# Altium PCB PCB22.PcbDoc (part 6 of 16) (continued)
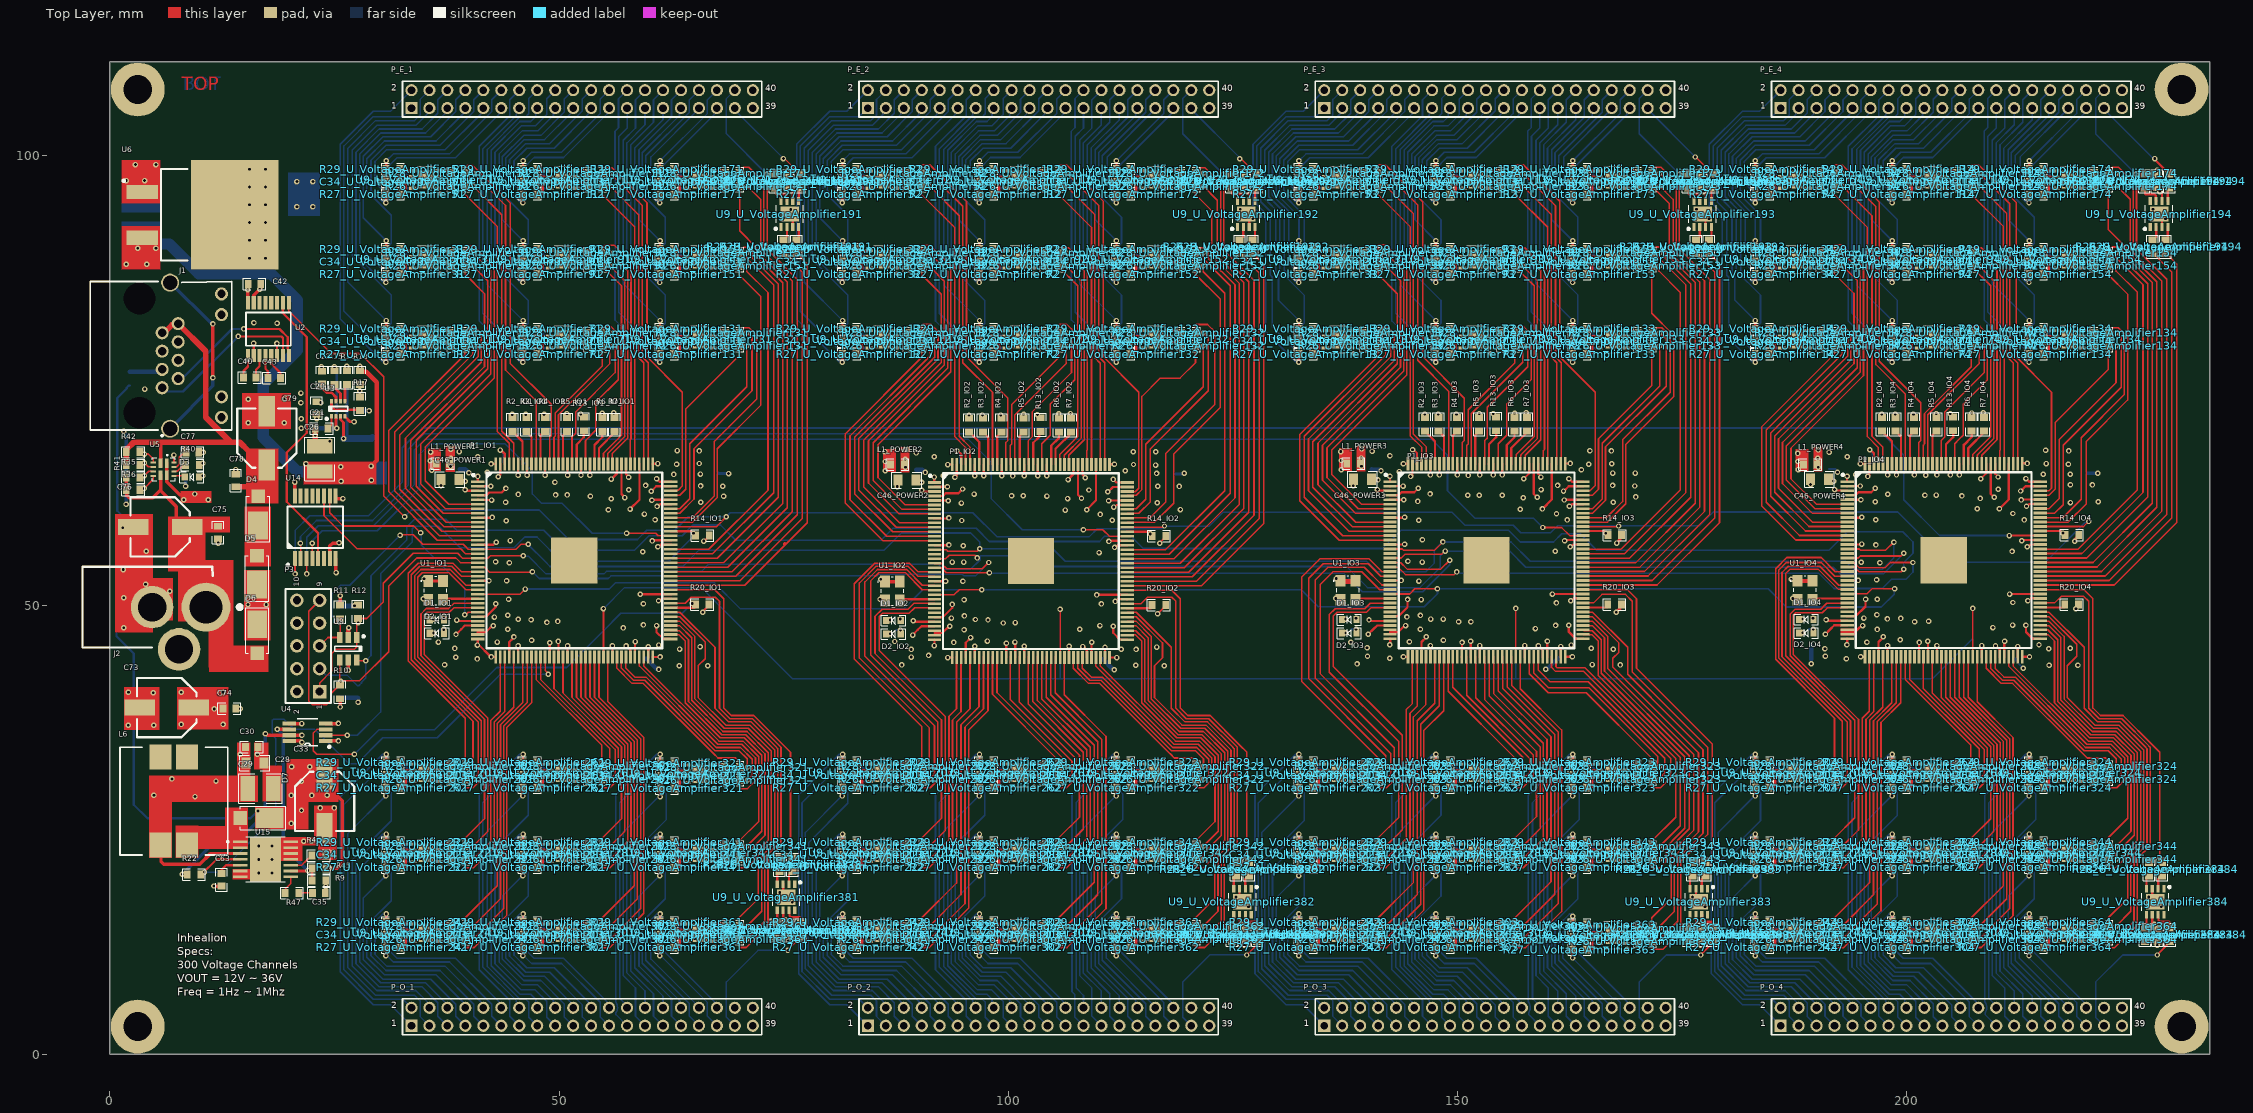
[diagram p0: Top Layer view]
## Nets (pads, with @x,y where several pads share a name; then routed paths per layer and width w, separated by ;. In a path a pad name is that pad's centre, name@x,y a point inside that pad or via, vN(x,y) a via of type N, cw(c..) or ccw(c..) an arc to the next point about the centre after c; other vN are vias at no path point) (continued)
  Top Layer w0.305: U3.4@26.171,71.038 26.171,70.987 26.738,70.42 v1(27.17,70.42)
  Top Layer w0.381: v1(11.576,18.745) 11.593,18.728 11.65,18.728 11.653,18.731 C63.1@12.44,18.731 ; U2.15@16.007,83.669 16.007,84.514 16.792,85.3 C42.1@16.792,85.737 ; U4.5@19.951,36.82 21.335,36.82 v1@21.343,36.812 ; U4.1@24.015,34.889 25.45,34.889 v1@25.455,34.884 ; U4.4@24.015,36.82 25.48,36.82 v1@25.497,36.802 ; U14.8@25.131,55.193 25.13,55.192 25.13,53.672 v1(25.165,53.637) ; U14.9@25.131,62.169 25.131,61.899 25.166,61.864 v1(25.94,61.864)
  Top Layer w0.508: U8.2@26.524,46.403 26.541,46.42 26.541,47.417 26.582,47.458 v1(26.582,47.486)
  Top Layer w0.635: C21.1@22.859,69.677 22.859,68.173 C26.1@23.357,67.676
  Bottom Layer w0.254: U9_U_VoltageAmplifier251.9@35.158,13.563 35.483,13.238 U9_U_VoltageAmplifier251.3@36.608,13.238 ; U9_U_VoltageAmplifier231.9@35.158,22.453 35.483,22.128 U9_U_VoltageAmplifier231.3@36.608,22.128 ; U9_U_VoltageAmplifier211.9@35.158,31.343 35.483,31.018 U9_U_VoltageAmplifier211.3@36.608,31.018 ; U9_U_VoltageAmplifier21.9@35.158,79.603 35.483,79.278 U9_U_VoltageAmplifier21.3@36.608,79.278 ; U9_U_VoltageAmplifier41.9@35.158,88.493 35.483,88.168 U9_U_VoltageAmplifier41.3@36.608,88.168 ; U9_U_VoltageAmplifier61.9@35.158,97.383 35.483,97.058 U9_U_VoltageAmplifier61.3@36.608,97.058 ; v1(43.446,67.267) 43.797,66.916 C9_POWER1.2@43.797,65.901 ; U9_U_VoltageAmplifier311.9@50.398,13.563 50.723,13.238 U9_U_VoltageAmplifier311.3@51.848,13.238 ; U9_U_VoltageAmplifier291.9@50.398,22.453 50.723,22.128 U9_U_VoltageAmplifier291.3@51.848,22.128 ; U9_U_VoltageAmplifier271.9@50.398,31.343 50.723,31.018 U9_U_VoltageAmplifier271.3@51.848,31.018 ; U9_U_VoltageAmplifier81.9@50.398,79.603 50.723,79.278 U9_U_VoltageAmplifier81.3@51.848,79.278 ; U9_U_VoltageAmplifier101.9@50.398,88.493 50.723,88.168 U9_U_VoltageAmplifier101.3@51.848,88.168 ; U9_U_VoltageAmplifier121.9@50.398,97.383 50.723,97.058 U9_U_VoltageAmplifier121.3@51.848,97.058 ; U9_U_VoltageAmplifier371.9@65.638,13.563 65.963,13.238 U9_U_VoltageAmplifier371.3@67.088,13.238 ; U9_U_VoltageAmplifier351.9@65.638,22.453 65.963,22.128 U9_U_VoltageAmplifier351.3@67.088,22.128 ; U9_U_VoltageAmplifier141.9@65.638,79.603 65.963,79.278 U9_U_VoltageAmplifier141.3@67.088,79.278 ; U9_U_VoltageAmplifier161.9@65.638,88.493 65.963,88.168 U9_U_VoltageAmplifier161.3@67.088,88.168 ; U9_U_VoltageAmplifier181.9@65.638,97.383 65.963,97.058 U9_U_VoltageAmplifier181.3@67.088,97.058 ; U9_U_VoltageAmplifier331.9@65.668,31.252 65.993,30.927 U9_U_VoltageAmplifier331.3@67.118,30.927 ; U9_U_VoltageAmplifier252.9@85.958,13.563 86.283,13.238 U9_U_VoltageAmplifier252.3@87.408,13.238 ; U9_U_VoltageAmplifier232.9@85.958,22.453 86.283,22.128 U9_U_VoltageAmplifier232.3@87.408,22.128 ; U9_U_VoltageAmplifier212.9@85.958,31.343 86.283,31.018 U9_U_VoltageAmplifier212.3@87.408,31.018 ; U9_U_VoltageAmplifier22.9@85.958,79.603 86.283,79.278 U9_U_VoltageAmplifier22.3@87.408,79.278 ; U9_U_VoltageAmplifier42.9@85.958,88.493 86.283,88.168 U9_U_VoltageAmplifier42.3@87.408,88.168 ; U9_U_VoltageAmplifier62.9@85.958,97.383 86.283,97.058 U9_U_VoltageAmplifier62.3@87.408,97.058 ; v1(94.274,67.201) 94.625,66.85 C9_POWER2.2@94.625,65.835 ; U9_U_VoltageAmplifier312.9@101.198,13.563 101.523,13.238 U9_U_VoltageAmplifier312.3@102.648,13.238 ; U9_U_VoltageAmplifier292.9@101.198,22.453 101.523,22.128 U9_U_VoltageAmplifier292.3@102.648,22.128 ; U9_U_VoltageAmplifier272.9@101.198,31.343 101.523,31.018 U9_U_VoltageAmplifier272.3@102.648,31.018 ; U9_U_VoltageAmplifier82.9@101.198,79.603 101.523,79.278 U9_U_VoltageAmplifier82.3@102.648,79.278 ; U9_U_VoltageAmplifier102.9@101.198,88.493 101.523,88.168 U9_U_VoltageAmplifier102.3@102.648,88.168 ; U9_U_VoltageAmplifier122.9@101.198,97.383 101.523,97.058 U9_U_VoltageAmplifier122.3@102.648,97.058 ; U9_U_VoltageAmplifier372.9@116.438,13.563 116.763,13.238 U9_U_VoltageAmplifier372.3@117.888,13.238 ; U9_U_VoltageAmplifier352.9@116.438,22.453 116.763,22.128 U9_U_VoltageAmplifier352.3@117.888,22.128 ; U9_U_VoltageAmplifier332.9@116.438,31.343 116.763,31.018 U9_U_VoltageAmplifier332.3@117.888,31.018 ; U9_U_VoltageAmplifier142.9@116.438,79.603 116.763,79.278 U9_U_VoltageAmplifier142.3@117.888,79.278 ; U9_U_VoltageAmplifier162.9@116.438,88.493 116.763,88.168 U9_U_VoltageAmplifier162.3@117.888,88.168 ; U9_U_VoltageAmplifier182.9@116.438,97.383 116.763,97.058 U9_U_VoltageAmplifier182.3@117.888,97.058 ; U9_U_VoltageAmplifier253.9@136.758,13.563 137.083,13.238 U9_U_VoltageAmplifier253.3@138.208,13.238 ; U9_U_VoltageAmplifier233.9@136.758,22.453 137.083,22.128 U9_U_VoltageAmplifier233.3@138.208,22.128 ; U9_U_VoltageAmplifier213.9@136.758,31.343 137.083,31.018 U9_U_VoltageAmplifier213.3@138.208,31.018 ; U9_U_VoltageAmplifier23.9@136.758,79.603 137.083,79.278 U9_U_VoltageAmplifier23.3@138.208,79.278 ; U9_U_VoltageAmplifier43.9@136.758,88.493 137.083,88.168 U9_U_VoltageAmplifier43.3@138.208,88.168 ; U9_U_VoltageAmplifier63.9@136.758,97.383 137.083,97.058 U9_U_VoltageAmplifier63.3@138.208,97.058 ; v1(144.995,67.288) 145.346,66.937 C9_POWER3.2@145.346,65.923 ; U9_U_VoltageAmplifier313.9@151.998,13.563 152.323,13.238 U9_U_VoltageAmplifier313.3@153.448,13.238 ; U9_U_VoltageAmplifier293.9@151.998,22.453 152.323,22.128 U9_U_VoltageAmplifier293.3@153.448,22.128 ; U9_U_VoltageAmplifier273.9@151.998,31.343 152.323,31.018 U9_U_VoltageAmplifier273.3@153.448,31.018 ; U9_U_VoltageAmplifier83.9@151.998,79.603 152.323,79.278 U9_U_VoltageAmplifier83.3@153.448,79.278 ; U9_U_VoltageAmplifier103.9@151.998,88.493 152.323,88.168 U9_U_VoltageAmplifier103.3@153.448,88.168 ; U9_U_VoltageAmplifier123.9@151.998,97.383 152.323,97.058 U9_U_VoltageAmplifier123.3@153.448,97.058 ; U9_U_VoltageAmplifier373.9@167.238,13.309 167.563,12.984 U9_U_VoltageAmplifier373.3@168.688,12.984 ; U9_U_VoltageAmplifier353.9@167.238,22.453 167.563,22.128 U9_U_VoltageAmplifier353.3@168.688,22.128 ; U9_U_VoltageAmplifier333.9@167.238,31.343 167.563,31.018 U9_U_VoltageAmplifier333.3@168.688,31.018 ; U9_U_VoltageAmplifier143.9@167.238,79.603 167.563,79.278 U9_U_VoltageAmplifier143.3@168.688,79.278 ; U9_U_VoltageAmplifier163.9@167.238,88.493 167.563,88.168 U9_U_VoltageAmplifier163.3@168.688,88.168 ; U9_U_VoltageAmplifier183.9@167.238,97.383 167.563,97.058 U9_U_VoltageAmplifier183.3@168.688,97.058 ; U9_U_VoltageAmplifier254.9@187.558,13.563 187.883,13.238 U9_U_VoltageAmplifier254.3@189.008,13.238 ; U9_U_VoltageAmplifier234.9@187.558,22.453 187.883,22.128 U9_U_VoltageAmplifier234.3@189.008,22.128 ; U9_U_VoltageAmplifier214.9@187.558,31.343 187.883,31.018 U9_U_VoltageAmplifier214.3@189.008,31.018 ; U9_U_VoltageAmplifier24.9@187.558,79.603 187.883,79.278 U9_U_VoltageAmplifier24.3@189.008,79.278 ; U9_U_VoltageAmplifier44.9@187.558,88.493 187.883,88.168 U9_U_VoltageAmplifier44.3@189.008,88.168 ; U9_U_VoltageAmplifier64.9@187.558,97.383 187.883,97.058 U9_U_VoltageAmplifier64.3@189.008,97.058 ; C2_POWER4.2@191.339,65.158 192.025,65.158 v1@192.314,64.869 ; v1(195.871,67.292) 196.222,66.941 C9_POWER4.2@196.222,65.926 ; U9_U_VoltageAmplifier314.9@202.798,13.563 203.123,13.238 U9_U_VoltageAmplifier314.3@204.248,13.238 ; U9_U_VoltageAmplifier294.9@202.798,22.453 203.123,22.128 U9_U_VoltageAmplifier294.3@204.248,22.128 ; U9_U_VoltageAmplifier274.9@202.798,31.343 203.123,31.018 U9_U_VoltageAmplifier274.3@204.248,31.018 ; U9_U_VoltageAmplifier84.9@202.798,79.603 203.123,79.278 U9_U_VoltageAmplifier84.3@204.248,79.278 ; U9_U_VoltageAmplifier104.9@202.798,88.493 203.123,88.168 U9_U_VoltageAmplifier104.3@204.248,88.168 ; U9_U_VoltageAmplifier124.9@202.798,97.383 203.123,97.058 U9_U_VoltageAmplifier124.3@204.248,97.058 ; C54_POWER4.2@212.076,44.073 212.076,43.873 v1(212.965,42.984) ; U9_U_VoltageAmplifier374.9@218.038,13.563 218.363,13.238 U9_U_VoltageAmplifier374.3@219.488,13.238 ; U9_U_VoltageAmplifier354.9@218.038,22.453 218.363,22.128 U9_U_VoltageAmplifier354.3@219.488,22.128 ; U9_U_VoltageAmplifier334.9@218.038,31.343 218.363,31.018 U9_U_VoltageAmplifier334.3@219.488,31.018 ; U9_U_VoltageAmplifier144.9@218.038,79.603 218.363,79.278 U9_U_VoltageAmplifier144.3@219.488,79.278 ; U9_U_VoltageAmplifier164.9@218.038,88.493 218.363,88.168 U9_U_VoltageAmplifier164.3@219.488,88.168 ; U9_U_VoltageAmplifier184.9@218.038,97.383 218.363,97.058 U9_U_VoltageAmplifier184.3@219.488,97.058
  Bottom Layer w0.381: v1(1.545,69.354) 1.545,69.305 1.825,69.024 R44.2@1.825,66.804 ; v1@1.732,61.165 1.824,61.257 1.824,62.996 1.824,64.407 1.824,65.817 R44.2@1.824,67.228
  Bottom Layer w0.508: C39.1@25.612,39.71 25.643,39.679 27.606,39.679 C37.1@27.637,39.648 ; C38.1@25.615,49.881 25.642,49.908 27.584,49.908 C36.1@27.611,49.935 ; R19.2@27.815,71.663 27.821,71.656 28.835,71.656 v1(28.842,71.649) ; C2_POWER1.2@38.913,65.133 39.565,65.133 v1@39.966,64.732 ; C54_POWER1.2@59.651,44.048 59.72,44.048 60.898,42.87 61.08,42.87 v1(61.099,42.851) ; C2_POWER2.2@89.741,65.067 90.418,65.067 v1@90.702,64.782 ; C54_POWER2.2@110.479,43.982 110.548,43.982 111.696,42.833 111.773,42.833 v1(111.792,42.814) ; C2_POWER3.2@140.462,65.155 140.525,65.092 141.327,65.092 141.421,64.998 141.431,64.998 141.459,64.97 v1@141.459,64.96 ; v1(159.812,42.875) 159.832,42.895 159.956,42.895 161.131,44.07 C54_POWER3.2@161.2,44.07 ; C48_POWER4.2@189.38,45.55 189.38,44.011 C56_POWER4.1@189.391,44
  other v1: 126.28,12.126 177.08,12.126 227.88,12.126 75.48,12.634 166.698,12.628 34.618,12.882 49.858,12.882 65.098,12.882 85.418,12.882 100.658,12.882 115.898,12.882 136.218,12.882 151.458,12.882 187.018,12.882 202.258,12.882 217.498,12.882 162.384,13.086 30.304,13.34 45.544,13.34 60.784,13.34 81.104,13.34 96.344,13.34 111.584,13.34 131.904,13.34 147.144,13.34 182.704,13.34 197.944,13.34 213.184,13.34 167.769,14.017 35.689,14.271 50.929,14.271 66.169,14.271 86.489,14.271 101.729,14.271 116.969,14.271 137.289,14.271 152.529,14.271 188.089,14.271 203.329,14.271 218.569,14.271 126.738,16.44 177.538,16.44 228.338,16.44 75.938,16.948 125.349,17.511 176.149,17.511 226.949,17.511 74.549,18.019 24.022,18.679 34.618,21.772 49.858,21.772 65.098,21.772 85.418,21.772 100.658,21.772 115.898,21.772 136.218,21.772 151.458,21.772 166.698,21.772 187.018,21.772 202.258,21.772 217.498,21.772 30.304,22.23 45.544,22.23 60.784,22.23 81.104,22.23 96.344,22.23 111.584,22.23 131.904,22.23 147.144,22.23 162.384,22.23 182.704,22.23 197.944,22.23 213.184,22.23 24.86,22.53 35.689,23.161 50.929,23.161 66.169,23.161 86.489,23.161 101.729,23.161 116.969,23.161 137.289,23.161 152.529,23.161 167.769,23.161 188.089,23.161 203.329,23.161 218.569,23.161 21.584,23.723 22.404,23.742 23.413,27.432 24.958,27.431 65.127,30.571 34.618,30.662 49.858,30.662 85.418,30.662 100.658,30.662 115.898,30.662 136.218,30.662 151.458,30.662 166.698,30.662 187.018,30.662 202.258,30.662 217.498,30.662 60.814,31.028 30.304,31.12 45.544,31.12 81.104,31.12 96.344,31.12 111.584,31.12 131.904,31.12 147.144,31.12 162.384,31.12 182.704,31.12 197.944,31.12 213.184,31.12 66.199,31.96 35.689,32.051 50.929,32.051 86.489,32.051 101.729,32.051 116.969,32.051 137.289,32.051 152.529,32.051 167.769,32.051 188.089,32.051 203.329,32.051 218.569,32.051 16.416,33.396 25.437,34.892 2.039,36.649 4.878,36.649 21.35,36.82 25.429,36.837 14.502,38.483 27.615,39.192 4.83,40.266 2.054,40.299 63.364,43.256 114.169,43.309 215.835,43.314 88.145,43.347 37.251,43.375 164.992,43.391 138.818,43.462 189.369,43.492 40.893,44.018 193.28,44.026 142.455,44.092 91.121,44.404 114.21,45.077 112.554,45.1 63.408,45.118 215.81,45.143 164.891,45.212 61.096,45.567 162.663,45.567 214.718,45.6 93.918,45.849 138.106,45.865 36.57,45.898 195.566,45.88 43.121,45.9 144.647,45.92 87.344,45.959 86.857,46.83 36.029,46.896 137.578,46.917 188.454,46.921 95.071,47.254 44.266,47.32 107.936,47.32 145.874,47.312 196.709,47.302 158.665,47.401 57.129,47.467 1.523,47.484 209.587,47.505 110.199,47.737 160.905,47.744 59.377,47.803 211.771,47.785 99.42,48.018 100.779,48.062 48.637,48.087 150.113,48.148 151.492,48.161 200.867,48.149 49.854,48.189 202.424,48.217 86.847,48.364 97.736,48.354 46.872,48.392 96.334,48.407 36.019,48.43 45.44,48.448 137.568,48.452 147.012,48.453 148.416,48.453 188.444,48.455 197.852,48.471 199.325,48.521 95.114,48.806 145.874,48.857 44.281,48.882 196.684,48.928 27.21,49.926 110.359,50.139 59.379,50.172 161.004,50.251 211.822,50.299 95.071,50.619 44.368,50.65 145.963,50.627 85.714,50.665 196.709,50.655 34.886,50.731 136.435,50.753 187.311,50.757 1.549,50.836 6.654,51.548 3.962,52.335 94.949,52.662 145.696,52.69 44.149,52.72 196.633,52.839 1.472,53.961 194.931,54.77 93.748,54.8 42.92,54.849 144.482,54.879 110.1,55.857 59.318,55.959 160.875,55.999 211.721,55.989 4.038,56.018 12.067,56.914 1.422,58.609 44.121,59.408 94.815,59.428 145.671,59.448 111.551,59.469 162.224,59.487 60.682,59.507 213.067,59.494 196.557,59.52 110.24,60.104 59.488,60.147 161.012,60.175 211.822,60.205 55.49,60.632 119.152,60.64 156.989,60.691 1.798,61.231 94.777,61.374 44.035,61.465 196.506,61.501 221.322,61.526 145.569,61.549 55.788,61.856 106.588,61.872 208.19,61.882 157.311,61.955 169.846,62.044 53.489,62.125 68.297,62.141 104.299,62.146 100.354,62.188 101.665,62.189 151.139,62.232 152.422,62.245 202.018,62.237 49.6,62.268 50.895,62.268 203.288,62.263 45.44,62.334 197.878,62.339 96.186,62.367 146.946,62.385 108.969,62.823 57.751,62.852 159.293,62.865 210.197,62.898 87.624,63.205 119.013,63.22 68.198,63.243 169.725,63.267 138.401,63.291 36.849,63.317 220.661,63.38 189.292,63.431 92.742,64.404 194.327,64.526 62.745,64.556 215.2,64.574 39.958,64.747 42.018,64.785 90.758,64.782 192.29,64.803 143.501,64.871 113.019,64.968 141.478,64.979 163.783,65.062 13.998,65.101 116.392,65.603 217.994,65.692 167.156,65.754 65.598,65.772 10.351,65.795 40.935,66.52 91.759,66.51 193.382,66.53 142.475,66.621 89.755,66.952 10.4,67.006 191.35,67.038 116.413,67.071 38.879,67.096 140.486,67.127 65.584,67.17 167.131,67.164 218.017,67.166 24.454,68.244 22.859,68.925 15.389,70.317 19.399,70.317 103.24,71.214 52.412,71.28 153.961,71.301 204.837,71.305 21.256,72.519 23.458,72.557 15.389,72.913 19.399,72.913 21.256,73.617 3.867,74.053 23.537,76.538 34.637,78.903 49.858,78.922 65.098,78.922 85.418,78.922 100.658,78.922 115.898,78.922 136.218,78.922 151.458,78.922 166.698,78.922 187.018,78.922 202.258,78.922 217.498,78.922 30.347,79.332 45.544,79.38 60.784,79.38 81.104,79.38 96.344,79.38 111.584,79.38 131.904,79.38 147.144,79.38 162.384,79.38 182.704,79.38 197.944,79.38 213.184,79.38 35.701,80.31 50.929,80.311 66.169,80.311 86.489,80.311 101.729,80.311 116.969,80.311 137.289,80.311 152.529,80.311 167.769,80.311 188.089,80.311 203.329,80.311 218.569,80.311 18.599,81.389 16.026,81.435 16.685,85.154 34.618,87.812 49.858,87.812 65.098,87.812 85.418,87.812 100.658,87.812 115.898,87.812 136.218,87.812 151.458,87.812 166.698,87.812 187.018,87.812 202.258,87.812 217.498,87.812 30.304,88.27 45.544,88.27 60.784,88.27 81.104,88.27 96.344,88.27 111.584,88.27 131.904,88.27 147.144,88.27 162.384,88.27 182.704,88.27 197.944,88.27 213.184,88.27 35.689,89.201 50.929,89.201 66.169,89.201 86.489,89.201 101.729,89.201 116.969,89.201 137.289,89.201 152.529,89.201 167.769,89.201 188.089,89.201 203.329,89.201 218.569,89.201 127.191,93.009 177.991,93.009 228.791,93.009 74.962,93.106 75.791,94.033 125.802,94.08 176.602,94.08 227.402,94.08 20.814,94.364 22.592,94.364 34.618,96.702 49.858,96.702 65.098,96.702 85.418,96.702 100.658,96.702 115.898,96.702 136.218,96.702 151.458,96.702 166.698,96.702 187.018,96.702 202.258,96.702 217.498,96.702 20.814,97.158 22.592,97.158 30.304,97.16 45.544,97.16 60.784,97.16 81.104,97.16 96.344,97.16 111.584,97.16 131.904,97.16 147.144,97.16 162.384,97.16 182.704,97.16 197.944,97.16 213.184,97.16 1.818,97.266 3.85,97.266 35.689,98.091 50.929,98.091 66.169,98.091 86.489,98.091 101.729,98.091 116.969,98.091 137.289,98.091 152.529,98.091 167.769,98.091 188.089,98.091 203.329,98.091 218.569,98.091 126.26,98.394 177.06,98.394 227.86,98.394 75.47,98.44 2.834,99.044 5.12,99.044
GPIO_0_IO1: P1_IO1.14 R26_U_VoltageAmplifier11.1 | length 31.9
  Top Layer w0.178: 39.538,77.943 31.054,69.459 31.054,62.614 36.438,57.229 P1_IO1.14@40.944,57.229
  Top Layer w0.254: 39.538,77.943 39.538,78.86 R26_U_VoltageAmplifier11.1@39.55,78.872
GPIO_0_IO2: P1_IO2.14 R26_U_VoltageAmplifier12.1 | length 32.6
  Top Layer w0.178: R26_U_VoltageAmplifier12.1@90.366,78.794 90.366,77.585 81.867,69.086 81.867,61.349 86.053,57.163 P1_IO2.14@91.772,57.163
GPIO_0_IO3: P1_IO3.14 R26_U_VoltageAmplifier13.1 | length 32.8
  Top Layer w0.178: R26_U_VoltageAmplifier13.1@141.138,78.86 141.138,77.696 132.43,68.988 132.43,61.624 136.825,57.229 P1_IO3.14@142.544,57.229
  Top Layer w0.254: R26_U_VoltageAmplifier13.1@141.138,78.86 R26_U_VoltageAmplifier13.1@141.15,78.872
GPIO_0_IO4: P1_IO4.14 R26_U_VoltageAmplifier14.1 | length 32.3
  Top Layer w0.178: R26_U_VoltageAmplifier14.1@191.964,78.885 191.964,77.969 183.837,69.842 183.837,61.068 187.65,57.255 P1_IO4.14@193.369,57.255
  Top Layer w0.254: R26_U_VoltageAmplifier14.1@191.964,78.885 R26_U_VoltageAmplifier14.1@191.975,78.897
GPIO_1_IO1: P1_IO1.11 R28_U_VoltageAmplifier11.1 | length 32.9
  Top Layer w0.178: R28_U_VoltageAmplifier11.1@39.55,80.319 39.842,80.611 39.842,80.751 40.032,80.941 40.6,80.941 41.341,80.201 41.341,77.038 32.903,68.6 32.903,63.004 37.178,58.729 P1_IO1.11@40.944,58.729
GPIO_1_IO2: P1_IO2.11 R28_U_VoltageAmplifier12.1 | length 34.5
  Top Layer w0.178: R28_U_VoltageAmplifier12.1@90.35,80.319 90.35,81.143 90.454,81.248 91.428,81.248 92.169,80.507 92.169,77.361 83.361,68.553 83.361,62.825 87.523,58.663 P1_IO2.11@91.772,58.663
GPIO_1_IO3: P1_IO3.11 R28_U_VoltageAmplifier13.1 | length 33.7
  Top Layer w0.178: R28_U_VoltageAmplifier13.1@141.15,80.319 141.15,80.383 141.694,80.926 142.215,80.926 142.941,80.201 142.941,77.233 133.891,68.183 133.891,63.133 138.295,58.729 P1_IO3.11@142.544,58.729
GPIO_1_IO4: P1_IO4.11 R28_U_VoltageAmplifier14.1 | length 33.2
  Top Layer w0.178: R28_U_VoltageAmplifier14.1@191.975,80.345 191.975,80.408 192.519,80.952 193.04,80.952 193.766,80.226 193.766,77.294 185.297,68.825 185.297,62.578 189.12,58.755 P1_IO4.11@193.369,58.755
GPIO_2_IO1: P1_IO1.12 R26_U_VoltageAmplifier21.1 | length 32.8
  Top Layer w0.178: v1(40.414,80.319) 40.985,79.748 40.985,77.678 32.254,68.947 32.254,62.9 36.925,58.229 P1_IO1.12@40.944,58.229
  Bottom Layer w0.254: R26_U_VoltageAmplifier21.1@39.55,80.319 v1(40.414,80.319)
GPIO_2_IO2: P1_IO2.12 R26_U_VoltageAmplifier22.1 | length 33.3
  Top Layer w0.178: v1@91.242,80.253 91.813,79.682 91.813,77.612 82.887,68.686 82.887,62.412 87.136,58.163 P1_IO2.12@91.772,58.163
  Bottom Layer w0.254: R26_U_VoltageAmplifier22.1@90.35,80.319 v1(91.214,80.319)
GPIO_2_IO3: P1_IO3.12 R26_U_VoltageAmplifier23.1 | length 33.5
  Top Layer w0.178: v1(142.014,80.319) 142.585,79.748 142.585,77.678 133.404,68.497 133.404,62.733 137.908,58.229 P1_IO3.12@142.544,58.229
  Bottom Layer w0.254: R26_U_VoltageAmplifier23.1@141.15,80.319 v1(142.014,80.319)
GPIO_2_IO4: P1_IO4.12 R26_U_VoltageAmplifier24.1 | length 33
  Top Layer w0.178: v1@192.839,80.345 193.41,79.773 193.41,77.704 184.862,69.156 184.862,62.126 188.733,58.255 P1_IO4.12@193.369,58.255
  Bottom Layer w0.254: R26_U_VoltageAmplifier24.1@191.95,80.319 v1(192.814,80.319)
GPIO_3_IO1: P1_IO1.13 R28_U_VoltageAmplifier21.1 | length 31.9
  Top Layer w0.178: v1(40.414,78.872) 40.414,77.966 31.684,69.236 31.684,62.736 36.691,57.729 P1_IO1.13@40.944,57.729
  Bottom Layer w0.254: R28_U_VoltageAmplifier21.1@39.55,78.872 v1(40.414,78.872)
GPIO_3_IO2: P1_IO2.13 R28_U_VoltageAmplifier22.1 | length 32.7
  Top Layer w0.178: v1@91.242,78.806 91.242,77.708 82.379,68.845 82.379,61.741 86.457,57.663 P1_IO2.13@91.772,57.663
  Bottom Layer w0.254: R28_U_VoltageAmplifier22.1@90.35,78.872 v1(91.214,78.872)
GPIO_3_IO3: P1_IO3.13 R28_U_VoltageAmplifier23.1 | length 32.8
  Top Layer w0.178: v1(142.014,78.872) 142.014,77.857 132.948,68.791 132.948,62.01 137.229,57.729 P1_IO3.13@142.544,57.729
  Bottom Layer w0.254: R28_U_VoltageAmplifier23.1@141.15,78.872 v1(142.014,78.872)
GPIO_3_IO4: P1_IO4.13 R28_U_VoltageAmplifier24.1 | length 32.4
  Top Layer w0.178: v1@192.839,78.897 192.839,77.991 184.345,69.497 184.345,61.464 188.054,57.755 P1_IO4.13@193.369,57.755
  Bottom Layer w0.254: R28_U_VoltageAmplifier24.1@191.95,78.872 v1(192.814,78.872)
GPIO_4_IO1: P1_IO1.10 R26_U_VoltageAmplifier31.1 | length 38
  Top Layer w0.178: R26_U_VoltageAmplifier31.1@39.55,87.762 39.55,86.822 41.696,84.676 41.696,76.56 33.492,68.356 33.492,63.168 37.431,59.229 P1_IO1.10@40.944,59.229
GPIO_4_IO2: P1_IO2.10 R26_U_VoltageAmplifier32.1 | length 38.6
  Top Layer w0.178: R26_U_VoltageAmplifier32.1@90.35,87.762 90.35,86.784 92.524,84.609 92.524,77.007 83.921,68.404 83.921,63.127 87.885,59.163 P1_IO2.10@91.772,59.163
GPIO_4_IO3: P1_IO3.10 R26_U_VoltageAmplifier33.1 | length 38.7
  Top Layer w0.178: R26_U_VoltageAmplifier33.1@141.15,87.762 141.15,86.822 143.296,84.676 143.296,76.874 134.468,68.046 134.468,63.418 138.657,59.229 P1_IO3.10@142.544,59.229
GPIO_4_IO4: P1_IO4.10 R26_U_VoltageAmplifier34.1 | length 38.3
  Top Layer w0.178: R26_U_VoltageAmplifier34.1@191.95,87.762 191.95,86.873 194.122,84.701 194.122,76.905 185.721,68.504 185.721,63.016 189.483,59.255 P1_IO4.10@193.369,59.255
GPIO_5_IO1: P1_IO1.6 R28_U_VoltageAmplifier31.1 | length 38.8
  Top Layer w0.178: R28_U_VoltageAmplifier31.1@39.55,89.209 39.683,89.342 39.683,89.816 39.868,90.002 40.411,90.002 40.449,89.964 ; 40.421,90.011 42.763,87.668 42.763,75.29 35.085,67.612 35.085,63.855 37.711,61.229 P1_IO1.6@40.944,61.229